# KiCad board the-nicholas-van revision.kicad_pcb (continued)
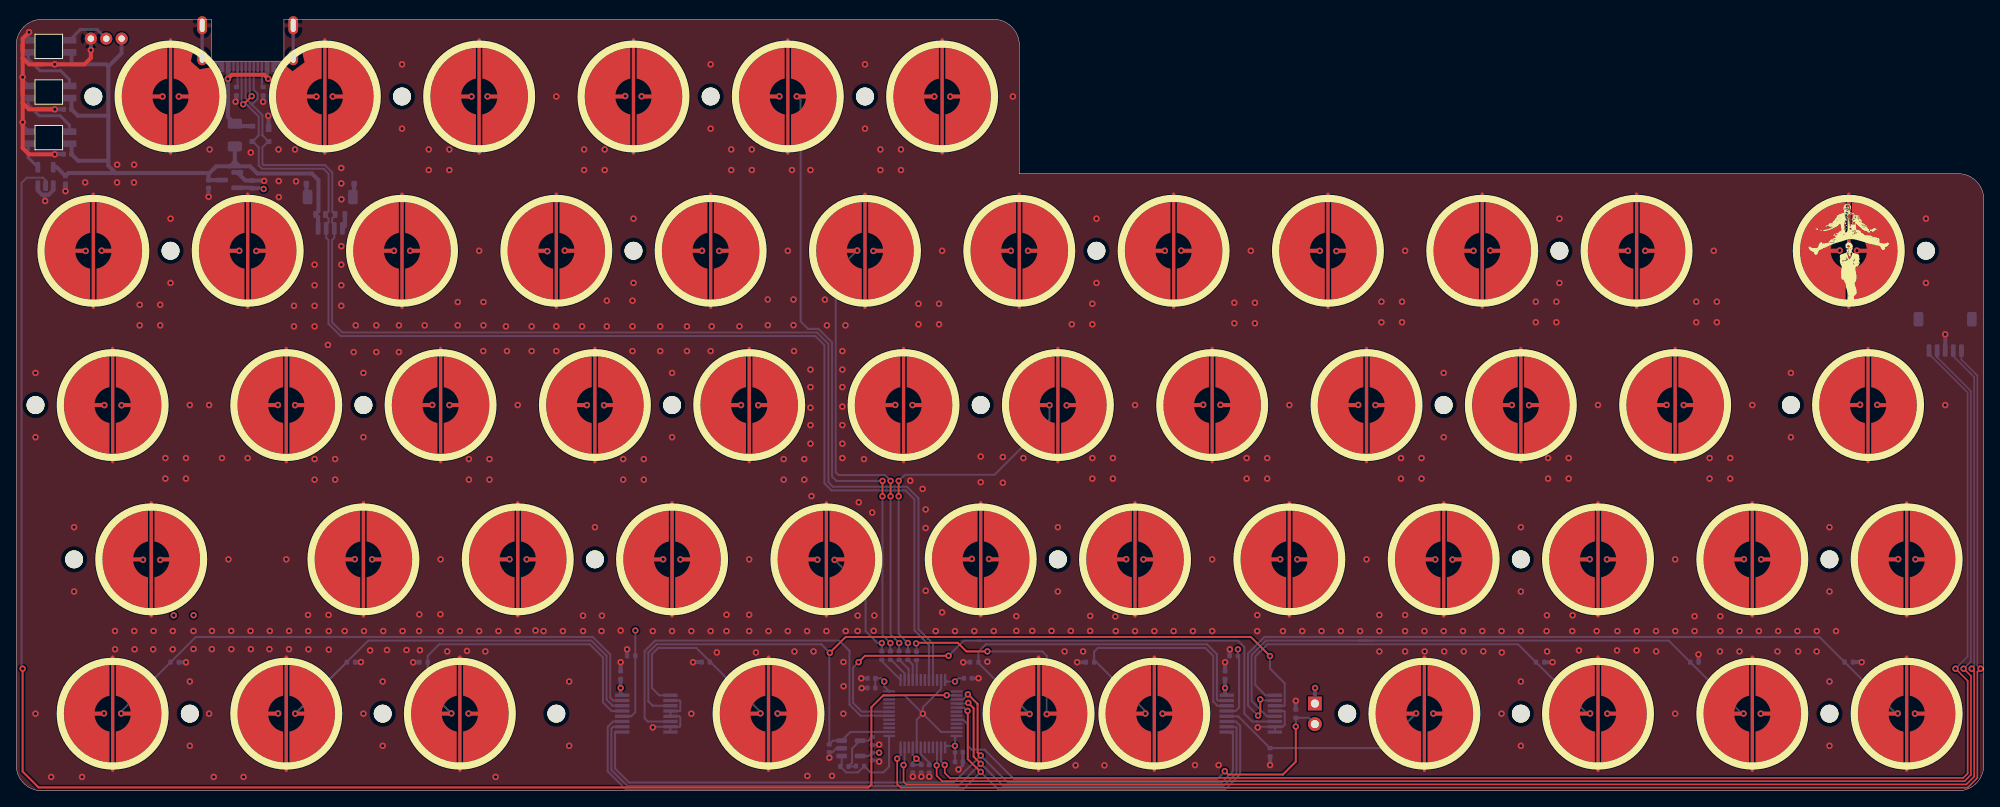
[diagram p0: board, top side]
## Routing (per net, layer and track width the routed paths; a pad name or vN(x,y) marks a point on that pad's centre or on a via; arc(x,y) is an arc through that point) (continued)
  Bottom w0.381: v1(118.8,13.9) 118.78,13.89 C1.2 ; C3.2 C5.2 116.85,3.17 v1(116.32,2.64) ; J4.A1 25.38,89.42 24.9,89.9 23.57,89.9 J4.S1 J4.S1 ; J4.A12 32.31,89.9 33.58,89.9 J4.S1 J4.S1 ; v1(104.36,12.68) 104.38,12.7 C2.2 ; v1(104.32,13.89) 104.32,13.89 C4.2 ; R19.2 116.91,15.88 v1(116.9,15.86)
  Bottom w0.5: 3.57,73.6 v1(3.57,72.83) ; 3.57,73.6 4.02,73.6 4.57,74.15 U2.1 ; 3.57,73.6 3.18,73.6 2.68,74.1 U2.3 ; R21.2 v1(189.65,15.88) ; v1(30.61,75.3) 30.56,75.35 C14.2 28.28,75.35 U3.1 ; 49.78,15.88 49.01,15.88 v1(49,15.86) ; v1(27.08,85.08) 27.18,85.18 R6.2 ; C18.2 v1(149.23,15.88) ; LED2.3 0.79,87.71 v1(0.79,88.11) ; 6.08,74.03 v1(6.08,74.03) ; v1(31.11,83.34) 31.16,83.3 D1.1 ; v1(1.59,93.66) 1.47,93.55 LED3.3 ; C9.2 v1(4.76,89.69) ; v1(227.81,15.88) 227.8,15.89 R23.2 ; J3.1 v1(9.21,91.46) ; C11.2 4.78,78.6 v1(4.76,78.58) ; LED1.3 0.79,82.08 v1(0.79,82.55) ; R7.2 v1(30.48,85.07) ; J5.3 v1(238.12,56.36) ; R18.2 v1(130.97,15.88) ; R8.2 v1(157.96,11.11) ; R22.2 207.68,16.83 v1(207.67,16.84) ; J2.MP 35.82,73.46 J1.MP ; J2.MP 41.72,73.46 J1.MP ; R11.2 20.95,15.88 v1(20.96,15.86) ; J1.4 40.57,69.74 J2.4 ; C16.2 v1(74.61,15.88) ; C13.2 23.74,73.35 v1(23.75,73.34) ; v1(42.55,15.89) 42.54,15.88 R10.2 ; v1(149.81,17.46) 149.79,17.44 R17.2 ; R12.2 v1(75.41,17.46) ; R13.2 83.55,15.89 ; C10.2 v1(4.76,84.14) ; R20.2 v1(154.78,3.18)
  Bottom w0.62: 6.08,74.92 6.08,74.03
  vias: v1(2.38,51.59) v1(2.38,43.66) v1(2.38,9.53) v1(4.32,1.71) v1(7.14,32.54) v1(7.14,24.61) v1(8.13,1.71) v1(8.51,75.12) v1(12.19,19.73) v1(12.21,17.47) v1(12.46,77.31) v1(12.45,75.11) v1(14.55,77.31) v1(14.54,75.11) v1(14.57,19.73) v1(14.62,17.47) v1(15.24,60.01) v1(15.24,57.47) v1(16.95,19.73) v1(16.91,17.47) v1(17.78,60.01) v1(17.78,57.47) v1(18.42,41.08) v1(18.42,38.54) v1(19.05,70.64) v1(19.05,62.71) v1(19.33,19.73) v1(19.32,17.47) v1(20.96,41.08) v1(20.96,38.54) v1(21.43,47.62) v1(21.43,13.49) v1(21.43,5.56) v1(21.88,19.73) v1(21.89,17.51) v1(23.81,47.62) v1(23.81,9.53) v1(23.88,79.18) v1(24.16,19.74) v1(24.15,17.49) v1(24.38,1.71) v1(25.4,41.08) v1(26.19,28.58) v1(26.54,19.74) v1(26.56,17.49) v1(28.07,1.71) v1(28.57,41.08) v1(28.96,78.8) v1(28.92,19.74) v1(28.97,17.49) v1(31.26,17.49) v1(31.31,19.74) v1(32.39,79.18) v1(32.4,75.28) v1(32.42,73.3) v1(33.34,28.58) v1(33.67,17.49) v1(33.69,19.74) v1(34.29,59.88) v1(34.29,57.34) v1(34.42,79.18) v1(34.54,75.25) v1(36.03,21.71) v1(36.05,19.73) v1(36.07,17.47) v1(36.83,64.96) v1(36.83,62.42) v1(36.83,59.88) v1(36.83,57.34) v1(36.83,40.96) v1(36.83,38.42) v1(38.48,55.05) v1(38.56,21.71) v1(38.58,19.72) v1(38.58,17.43) v1(39.37,40.96) v1(39.37,38.42) v1(40.13,76.9) v1(40.13,74.99) v1(40.15,73.03) v1(40.13,67.25) v1(40.13,64.96) v1(40.13,62.42) v1(40.13,59.88) v1(40.55,19.72) v1(41.66,54.17) v1(41.91,57.47) v1(42.86,51.59) v1(42.86,43.66) v1(42.86,9.53) v1(42.93,19.72) v1(43.69,17.34) v1(44.45,57.47) v1(44.45,54.17) v1(45.24,13.49) v1(45.24,5.56) v1(45.31,19.72) v1(45.77,17.38) v1(47.24,57.47) v1(47.24,54.17) v1(47.62,89.69) v1(47.62,81.76) v1(47.69,19.72) v1(48.18,17.38) v1(49.76,21.77) v1(49.74,19.72) v1(49.83,17.36) v1(50.42,57.47) v1(50.93,79.18) v1(50.93,76.64) v1(52.36,21.79) v1(52.39,28.58) v1(52.39,19.72) v1(53.21,17.21) v1(53.47,79.18) v1(53.47,76.64) v1(54.51,60.35) v1(54.51,57.47) v1(54.77,19.72) v1(55.64,17.27) v1(55.88,40.96) v1(55.88,38.42) v1(57.15,66.68) v1(57.15,19.72) v1(57.66,54.29) v1(57.68,60.35) v1(57.68,57.47) v1(57.91,17.21) v1(58.42,40.96) v1(58.42,38.42) v1(59.18,1.71) v1(59.53,19.72) v1(60.45,57.34) v1(60.58,54.29) v1(61.91,47.62) v1(61.91,19.72) v1(63.63,57.34) v1(63.63,54.29) v1(64.11,19.79) v1(65.1,19.72) v1(66.67,85.73) v1(66.67,57.34) v1(66.67,54.29) v1(67.48,19.72) v1(68.26,13.49) v1(68.26,5.56) v1(69.85,57.34) v1(69.97,21.62) v1(69.98,19.72) v1(70.1,79.18) v1(70.1,76.64) v1(71.44,32.54) v1(72.25,19.72) v1(72.3,21.62) v1(72.64,79.18) v1(72.64,76.64) v1(72.91,60.52) v1(72.91,57.34) v1(74.61,19.79) v1(74.93,40.96) v1(74.93,38.42) v1(76.07,54.29) v1(76.08,60.52) v1(76.08,57.34) v1(76.2,70.64) v1(76.2,62.71) v1(77.47,40.96) v1(77.47,38.42) v1(78.58,19.72) v1(79.5,57.34) v1(79.5,54.29) v1(80.96,51.59) v1(80.96,43.66) v1(80.96,19.72) v1(82.8,57.34) v1(82.8,54.29) v1(83.34,19.72) v1(83.34,9.53) v1(83.54,15.88) v1(85.72,89.69) v1(85.72,81.76) v1(85.72,54.29) v1(85.72,19.72) v1(85.85,57.34) v1(86.49,17.08) v1(87.68,21.74) v1(87.68,19.72) v1(88.27,79.18) v1(88.27,76.64) v1(89.28,57.34) v1(90.49,28.58) v1(90.48,21.74) v1(90.49,19.72) v1(90.8,79.18) v1(90.8,76.64) v1(91.31,17.08) v1(92.77,60.66) v1(92.77,57.49) v1(92.87,19.72) v1(94.74,40.96) v1(94.74,38.42) v1(95.25,66.68) v1(95.25,19.72) v1(95.76,76.64) v1(95.95,60.66) v1(95.95,57.49) v1(96.01,54.29) v1(96.07,17.2) v1(97.28,40.96) v1(97.28,38.42) v1(97.63,19.72) v1(97.66,1.84) v1(98.04,76.64) v1(98.04,52.01) v1(98.04,49.85) v1(98.04,47.31) v1(98.04,45.15) v1(98.04,42.86) v1(98.17,36.39) v1(98.42,17.21) v1(99.82,60.64) v1(100.01,19.72) v1(100.08,57.47) v1(100.71,1.84) v1(101.98,54.29) v1(101.98,52.01) v1(101.98,49.85) v1(101.98,47.43) v1(101.98,45.15) v1(101.98,42.86) v1(101.98,41.08) v1(102.12,15.9) v1(102.14,12.91) v1(102.11,9.53) v1(102.36,57.47) v1(102.39,19.72) v1(103.87,21.63) v1(103.87,19.73) v1(104.01,35.62) v1(104.65,40.96) v1(104.77,89.69) v1(104.77,81.76) v1(105.66,34.35) v1(105.85,19.75) v1(105.93,21.64) v1(106.53,3.61) v1(106.68,79.18) v1(106.68,76.64) v1(109.22,79.18) v1(109.22,76.64) v1(110.36,38.29) v1(111.38,60.13) v1(111.38,57.59) v1(111.89,37.27) v1(112.27,34.73) v1(112.27,32.45) v1(112.27,24.7) v1(113.51,19.72) v1(113.92,60.13) v1(113.92,57.59) v1(114.3,66.68) v1(114.3,22.03) v1(115.89,19.72) v1(118.27,19.72) v1(119.06,41.28) v1(119.06,38.1) v1(119.89,15.94) v1(120.67,19.72) v1(121.79,41.21) v1(121.79,38.04) v1(123.03,85.73) v1(123.46,21.57) v1(123.46,19.75) v1(124.33,41.08) v1(125.42,19.74) v1(127.8,19.74) v1(128.59,32.54) v1(128.59,24.61) v1(129.41,17.21) v1(130.19,19.74) v1(130.3,57.59) v1(130.78,3.14) v1(131.7,17.21) v1(132.57,19.74) v1(132.58,21.6) v1(132.84,60.13) v1(132.84,57.59) v1(132.84,41.08) v1(132.84,38.54) v1(133.35,70.64) v1(133.35,62.71) v1(134.33,3.14) v1(135.38,41.08) v1(135.38,38.54) v1(135.68,21.53) v1(135.73,19.72) v1(138.11,47.62) v1(138.11,19.72) v1(140.49,19.72) v1(142.88,19.72) v1(145.26,19.72) v1(145.51,3.18) v1(147.64,28.58) v1(147.64,19.72) v1(148.43,3.18) v1(150.37,60.26) v1(150.37,57.72) v1(151.89,41.08) v1(151.89,38.54) v1(152.4,66.68) v1(152.91,60.26) v1(152.91,57.72) v1(153.2,21.69) v1(153.19,19.72) v1(154.43,41.08) v1(154.43,38.54) v1(156.37,19.72) v1(157.16,47.62) v1(158.75,19.72) v1(161.13,19.72) v1(163.51,19.72) v1(165.89,19.72) v1(166.69,28.58) v1(168.28,19.72) v1(168.28,17.21) v1(168.28,21.71) v1(168.53,60.39) v1(168.53,57.85) v1(170.94,41.08) v1(170.94,38.54) v1(171.07,60.39) v1(171.07,57.85) v1(171.45,66.68) v1(171.45,21.71) v1(171.45,19.72) v1(171.45,17.21) v1(173.48,41.08) v1(173.48,38.54) v1(173.83,19.72) v1(173.86,17.21) v1(176.21,51.59) v1(176.21,43.66) v1(176.21,19.72) v1(176.28,17.21) v1(178.59,19.72) v1(178.69,17.21) v1(180.98,19.72) v1(181.1,17.22) v1(183.36,19.72) v1(183.36,9.53) v1(183.39,17.08) v1(185.74,32.54) v1(185.74,24.61) v1(185.74,19.72) v1(185.74,13.49) v1(185.74,5.56) v1(187.58,60.39) v1(187.58,57.85) v1(188.95,21.67) v1(188.91,19.72) v1(188.98,17.21) v1(189.1,41.08) v1(189.1,38.54) v1(190.12,60.39) v1(190.12,57.85) v1(190.5,70.64) v1(190.5,62.71) v1(191.64,41.08) v1(191.64,38.54) v1(192.13,21.67) v1(192.09,19.72) v1(192.91,17.34) v1(195.09,19.72) v1(195.26,47.62) v1(197.66,19.72) v1(197.61,17.34) v1(200.04,19.72) v1(200.03,17.34) v1(202.42,19.72) v1(202.44,17.21) v1(204.79,28.58) v1(204.8,19.72) v1(204.79,9.53) v1(207.19,21.55) v1(207.18,19.72) v1(207.39,60.39) v1(207.39,57.85) v1(209.04,41.08) v1(209.04,38.54) v1(209.55,66.68) v1(209.93,60.39) v1(209.93,57.85) v1(210.36,21.55) v1(210.36,19.72) v1(210.31,17.21) v1(211.58,41.08) v1(211.58,38.54) v1(212.74,19.72) v1(212.73,17.21) v1(214.31,47.62) v1(215.12,19.72) v1(217.42,17.21) v1(217.5,19.72) v1(219.08,51.59) v1(219.08,43.66) v1(219.88,19.72) v1(219.96,17.21) v1(222.27,19.72) v1(222.25,17.21) v1(223.84,32.54) v1(223.84,24.61) v1(223.84,13.49) v1(223.84,5.56) v1(224.65,19.72) v1(235.74,70.64) v1(235.74,62.71) v1(238.12,47.62)
VCC: length 16.6
  Top w0.5: v1(26.13,87.9) 26.63,88.41 30.61,88.41 v1(31.11,87.9)
  Bottom w0.5: v1(31.11,87.9) 30.97,88.04 J4.A9 ; J4.A4 26.18,87.95 v1(26.13,87.9) 26.13,83.23 F_USBC1.1 27.29,82.06 D1.4
(no net):
  vias: v1(19.45,21.67) v1(21.9,21.68)
ADC: length 12.4
  Bottom w0.25: U1.13 107.76,2.98 107.05,2.27 105.45,2.27 R16.1 103.9,2.27 102.46,2.27 R14.1 101.9,3.19 U5.1
AMUX_SEL_0: length 106.8
  Top w0.25: 117.47,9.89 117.47,3.9 119.04,2.33 v1(119.06,2.33)
  Bottom w0.25: U4.11 73.67,8.55 73.02,7.9 73.02,2.38 75.28,0.12 116.85,0.12 v1(119.06,2.33) 121.27,0.12 149.19,0.12 151.09,2.02 151.09,8.03 150.56,8.55 U6.11 ; U1.41 117.02,10.28 v1(117.43,9.86)
AMUX_SEL_1: length 104
  Top w0.25: 117.49,10.89 118.19,10.2 118.19,4.21 v1(119.06,3.33)
  Bottom w0.25: v1(117.52,10.86) 117.44,10.78 U1.40 ; U4.10 73.67,7.9 73.47,7.7 73.47,2.57 75.47,0.58 116.28,0.58 119.04,3.33 v1(119.06,3.33) 119.09,3.33 121.85,0.58 149.01,0.58 150.64,2.21 150.64,7.79 150.52,7.9 U6.10
AMUX_SEL_2: length 101.1
  Top w0.25: v1(119.06,4.36) 118.68,4.74 118.68,10.73 118.67,10.73 117.5,11.91 v1(117.48,11.91)
  Bottom w0.25: U4.9 73.93,7.25 73.92,7.25 73.92,2.75 75.65,1.03 115.73,1.03 v1(119.06,4.36) 122.4,1.03 148.82,1.03 150.19,2.39 150.19,6.97 149.91,7.25 U6.9 ; U1.39 116.89,11.28 117.48,11.86 v1(117.48,11.91)
APLEX_EN_PIN_0: length 50.1
  Bottom w0.25: U4.6 77.97,8.55 77.57,8.95 77.57,17.25 78.87,18.55 101.6,18.55 102.86,17.28 102.86,10.64 104.23,9.28 U1.18
APLEX_EN_PIN_1: length 72.2
  Top w0.25: v1(115.09,16.67) 104.77,16.67 v1(103.98,15.88)
  Bottom w0.25: v1(115.09,16.67) 116.97,18.55 119.06,18.55 ; U1.19 104.37,9.78 103.31,10.83 103.31,15.21 v1(103.98,15.88) ; 118.56,18.55 119.06,18.55 ; 119.06,18.55 150.81,18.55 151.61,17.75 151.61,9.53 152.58,8.55 153.19,8.55 153.19,8.55 U6.6
APLEX_OUT: length 115.8
  Top w0.25: v1(154.77,16.63) 152.41,19 102.39,19 v1(100.43,17.04)
  Bottom w0.25: v1(154.77,16.63) 154.77,15.09 156.59,13.27 156.59,10.57 156.51,10.5 U6.3 ; U1.14 102.98,7.28 U5.3 100.83,6.2 C17.1 100.36,16.97 v1(100.43,17.04) 99.38,18.1 79.06,18.1 78.02,17.06 78.02,11.06 78.58,10.5 U4.3
ARGB: length 5.6
  Bottom w0.381: J3.2 9.97,94.01 7.92,94.01 LED3.2
ARGB_3V3: length 203.2
  Top w0.25: v1(114.87,11.8) 107.05,11.8 105.57,10.32 105.57,0.79 105.19,0.42 2.76,0.42 0.79,2.38 v1(0.79,15.08)
  Bottom w0.25: v1(114.87,11.8) 114.9,11.78 U1.38 ; U2.2 3.63,75.38 3.3,75.7 1.31,75.7 0.66,75.05 0.66,15.22 v1(0.79,15.08)
ARGB_5V: length 3.4
  Bottom w0.381: LED1.4 1.48,78.19 U2.4
BOOT0: length 55.8
  Top w0.25: v1(149.19,2.42) 149.59,2.01 156.37,2.01 157.96,3.6 v1(157.96,7.94)
  Bottom w0.25: SW1.2 159.53,9.02 R8.1 v1(157.96,7.94) ; U1.44 116.89,8.78 117.48,8.19 117.48,5.56 117.95,5.08 119.54,5.08 123.14,1.47 148.32,1.47 149.19,2.34 v1(149.19,2.42)
COL0: length 165.9
  In2.Cu w0.5: v1(17.78,28.51) 20.64,25.65 20.64,17.22 v1(12.96,9.54) ; v1(18.06,85.73) 13.49,81.16 13.49,69.63 11.22,67.36 ; v1(13.01,47.6) 15.1,47.6 19.84,42.86 19.84,30.75 SW_EC31.2 ; 11.22,67.36 v1(10.55,66.69) 16.67,60.57 16.67,51.39 SW_EC19.2 ; 11.22,67.36 10.54,66.68
  Bottom w0.25: v1(12.96,9.54) 12.96,9.78 R11.1 22.17,19 71.18,19 73.33,16.85 73.33,11.5 73.67,11.15 U4.15
COL1: length 148.4
  In2.Cu w0.5: SW_EC20.2 35.72,49.01 35.72,61.12 30.19,66.65 v1(29.64,66.65) ; SW_EC32.2 38.1,32.34 38.1,43.94 v1(34.43,47.61) ; v1(37.06,85.71) 33.34,82 33.34,70.44 SW_EC8.2 ; SW_EC44.2 37.31,12.49 37.31,24.09 v1(41.8,28.59)
  Bottom w0.25: U4.14 73.64,10.5 72.88,11.26 72.88,16.66 70.99,18.55 43.46,18.55 v1(34.45,9.54) 40.79,15.88 R10.1
COL2: length 138.7
  In2.Cu w0.5: v1(56.2,85.73) 52.39,81.91 52.39,70.43 v1(48.63,66.68) 50.8,66.68 56.36,61.12 56.36,50.59 SW_EC21.2 ; SW_EC45.2 50.8,12.49 50.8,22.23 57.17,28.59 v1(60.89,28.59) 57.15,32.33 57.15,43.96 v1(53.49,47.62)
  Bottom w0.25: 50.8,12.47 R9.1 ; 50.8,12.47 v1(53.71,9.56) ; 50.8,12.47 50.8,16.67 52.23,18.1 70.8,18.1 72.43,16.47 72.43,10.92 73.5,9.85 U4.13
COL3: length 91
  In2.Cu w0.5: v1(67.72,66.7) 70.62,66.7 74.61,62.71 74.61,49.8 SW_EC22.2 ; SW_EC10.2 71.44,70.44 71.44,82.03 v1(75.18,85.78) ; v1(79.86,28.58) 76.43,25.15 v1(76.43,19.79) ; v1(72.57,47.6) 76.2,43.97 76.2,32.34 SW_EC34.2
  Bottom w0.25: U4.12 75.92,9.2 76.43,9.71 R12.1 76.43,19.78 v1(76.43,19.79)
COL4: length 120.4
  In2.Cu w0.5: v1(91.6,47.61) 96.04,43.17 96.04,31.54 SW_EC35.2 ; SW_EC23.2 94.46,50.59 94.46,62.71 90.5,66.66 v1(86.79,66.66) ; SW_EC5.2 89.69,81.17 89.69,69.64 SW_EC11.2 ; SW_EC46.2 88.9,12.49 88.9,22.23 95.21,28.53 v1(98.9,28.53)
  Bottom w0.25: v1(91.86,9.56) 91.86,9.74 83.95,17.65 79.24,17.65 78.47,16.88 78.47,12.7 79.37,11.8 U4.1
  vias: v1(94.21,85.74)
COL5: length 142
  In2.Cu w0.5: v1(105.82,66.65) 108.77,66.65 112.71,62.71 112.71,49.8 SW_EC24.2 115.89,47.62 120.65,42.86 120.65,29.18 v1(120.09,28.62) 122.24,26.47 122.24,12.49 SW_EC47.2 ; v1(113.33,85.73) 107.95,80.34 107.95,68.85 SW_EC12.2
  Bottom w0.25: U6.15 148.33,11.15 148.21,11.26 148.21,16.89 147,18.1 119.7,18.1 118.78,17.18 R19.1 118.78,15.79 v1(125.09,9.49)
  vias: v1(110.64,47.63)
COL6: length 100.6
  In2.Cu w0.5: SW_EC48.2 134.14,14.88 134.14,25.71 v1(137.02,28.59) ; SW_EC25.2 131.76,49.8 131.76,59.82 v1(124.91,66.68) ; v1(129.67,47.59) 134.14,43.12 134.14,31.54 SW_EC37.2
  Bottom w0.25: v1(139.39,9.54) 139.39,9.84 133.35,15.88 R18.1 133.07,17.18 133.53,17.65 146.79,17.65 147.76,16.67 147.76,11.02 148.29,10.5 U6.14
COL7: length 71.3
  In2.Cu w0.5: 154.68,30.06 156.02,28.72 v1(156.02,28.59) 150.81,23.38 v1(150.81,17.46) ; 154.68,30.06 SW_EC38.2 ; 154.68,30.06 153.19,31.54 153.19,43.11 v1(148.66,47.65) ; SW_EC26.2 151.61,50.59 151.61,61.12 146.02,66.7 v1(143.81,66.7)
  Bottom w0.25: U6.13 150.52,9.85 150.97,10.29 150.97,16.52 R17.1 v1(150.81,17.46)
COL8: length 96.2
  In2.Cu w0.5: SW_EC49.2 169.86,12.49 169.86,23.81 174.61,28.56 v1(175.18,28.56) 172.24,31.49 172.24,43.18 v1(167.79,47.62) ; v1(162.97,66.64) 165.93,66.64 169.86,62.71 169.86,49.8 SW_EC27.2
  Bottom w0.25: v1(172.81,9.56) 168.52,5.27 R20.1 150.85,9.2 U6.12
COL9: length 120.4
  In2.Cu w0.5: v1(181.97,66.71) 184.12,66.71 188.91,61.91 188.91,49.8 SW_EC28.2 ; v1(194.24,28.59) 190.5,24.85 190.5,13.29 SW_EC50.2 ; v1(186.75,47.61) 190.5,43.87 190.5,32.34 SW_EC40.2
  Bottom w0.25: v1(194.29,9.55) 193.94,9.55 R21.1 185.39,18.1 154.46,18.1 152.96,16.59 152.96,13.04 154.2,11.8 U6.1
COL10: length 146.9
  In2.Cu w0.5: v1(201.1,66.68) 203.2,66.68 208.76,61.12 208.76,50.59 SW_EC29.2 ; SW_EC41.2 210.34,31.54 210.34,43.13 v1(205.85,47.62) ; v1(213.27,28.59) 208.76,24.08 208.76,14.01 v1(213.22,9.54)
  Bottom w0.25: 166.69,18.55 154.28,18.55 152.51,16.78 152.51,11.09 154.39,9.2 U6.5 ; 166.69,18.55 165.71,18.55 167.48,18.55 ; 166.69,18.55 167.48,18.55 ; v1(213.22,9.54) 212.99,9.54 R22.1 203.99,18.55 167.48,18.55
COL11: length 166.3
  Top w0.25: v1(153.29,9.28) 153.57,9.56 v1(153.57,11.27)
  In2.Cu w0.5: v1(227.23,66.69) 233.36,60.56 233.36,51.27 v1(229.74,47.65) 237.33,40.05 237.33,31.46 v1(234.45,28.58) 237.33,25.7 237.33,22.23 231.78,16.67 231.78,10.04 v1(232.26,9.55)
  Bottom w0.25: v1(153.29,9.28) 152.06,10.51 152.06,16.96 154.09,19 222.6,19 R23.1 232.04,9.55 v1(232.26,9.55) ; U6.2 153.7,11.15 v1(153.57,11.27)
D+: length 161.3
  Bottom w0.25: J4.A6 28.32,85.49 29.15,84.66 ; U1.33 113.17,18.15 111.37,19.95 111.37,36.12 109.96,37.54 100.83,37.54 100.26,38.1 100.26,55.17 98.85,56.59 40.25,56.59 38.99,57.84 38.99,68 39.27,68.27 J1.3 39.27,69.91 38.99,70.19 38.99,70.65 39.37,71.03 J2.3 39.02,71.5 39.02,76.36 38.14,77.24 30.55,77.24 30.39,77.41 30.39,79.43 31.11,80.16 D1.2 30.39,80.93 30.39,80.96 30.39,83.42 29.15,84.66 ; 29.15,84.66 29.15,84.77 29.8,85.42 29.8,86.06 29.32,86.54 J4.B6
D-: length 161.6
  Top w0.25: v1(29.07,85.76) 28.07,84.76 v1(28.03,84.76)
  Bottom w0.25: J4.B7 27.82,84.96 v1(28.03,84.76) 28.41,84.76 29.94,83.24 29.94,80.93 D1.3 29.21,80.16 29.94,79.43 29.94,77.22 30.36,76.79 37.95,76.79 38.57,76.18 38.57,71.55 J2.2 38.17,71.03 38.54,70.65 38.54,70.19 38.27,69.91 J1.2 38.27,68.27 38.54,68 38.54,57.66 40.06,56.14 98.66,56.14 99.76,55.04 99.76,37.96 100.64,37.09 109.78,37.09 110.87,35.99 110.87,19.81 112.67,18.02 U1.32 ; J4.A7 28.82,86.01 v1(29.07,85.76)
ENC1: length 186.6
  Top w0.2: v1(240.39,15.08) 241.29,14.18 241.29,1.97 240.51,1.19 114.3,1.19 113.62,1.87 v1(113.62,3.14)
  Bottom w0.2: v1(240.39,15.08) 241.29,15.98 241.29,49.34 237.12,53.51 J5.2
  Bottom w0.25: U1.3 113.67,3.19 v1(113.62,3.14)
ENC2: length 190.9
  Top w0.2: v1(109.54,3.18) 109.54,1.11 109.86,0.79 240.73,0.79 241.69,1.75 241.69,14.78 v1(241.39,15.08)
  Bottom w0.2: J5.4 239.12,53.66 241.69,51.09 241.69,15.38 v1(241.39,15.08)
  Bottom w0.25: U1.11 109.67,3.31 v1(109.54,3.18)
NRST: length 2.6
  Bottom w0.25: U1.7 111.67,4.51 112.71,3.47 C7.1
ROW0: length 236.2
  Top w0.25: v1(106.93,36.36) 106.93,38.26 v1(106.94,38.26)
  In1.Cu w0.5: 101.6,77.79 119.86,77.79 120.65,78.58 120.65,80.36 v1(115.3,85.71) ; 101.6,77.79 101.6,80.96 96.82,85.74 v1(96.35,85.74) ; 101.6,77.79 82.55,77.79 ; v1(58.18,85.74) 58.72,85.74 63.5,80.96 63.5,77.79 ; 63.5,77.79 45.24,77.79 ; 63.5,77.79 82.55,77.79 ; 45.24,77.79 44.45,77.79 44.45,80.96 39.69,85.73 v1(39.07,85.73) ; 45.24,77.79 26.19,77.79 25.4,78.58 25.4,80.96 20.64,85.73 v1(20.07,85.73) ; v1(77.2,85.74) 77.77,85.74 82.55,80.96 82.55,77.79
  Bottom w0.2: 107.91,18.19 107.91,18.07 v1(107.91,18.24)
  Bottom w0.25: v1(106.93,36.36) 106.93,19.22 v1(107.91,18.24) R3.2 107.91,18.07 ; v1(96.35,85.74) 96.84,85.26 96.84,57.94 97.74,57.04 99.04,57.04 100.71,55.36 100.71,38.8 101.25,38.26 v1(106.94,38.26)
ROW1: length 396.8
  Top w0.25: v1(107.93,36.36) 107.93,38.26 v1(107.94,38.26) 107.93,38.26
  In1.Cu w0.5: 174.62,58.74 193.68,58.74 ; 174.62,58.74 155.58,58.74 ; 174.62,58.74 174.62,61.41 v1(179.89,66.67) ; 193.68,58.74 193.68,61.39 v1(198.96,66.68) ; 193.68,58.74 219.08,58.74 219.87,59.53 219.87,61.47 v1(225.1,66.71) ; v1(141.79,66.68) 136.53,61.41 136.53,58.74 ; 23.81,58.74 23.02,58.74 22.9,58.86 22.9,62.03 v1(27.54,66.68) ; 23.81,58.74 3.97,58.74 3.18,59.53 3.18,61.26 v1(8.57,66.66) ; 23.81,58.74 41.27,58.74 ; v1(160.92,66.66) 155.58,61.32 155.58,58.74 ; 99.22,58.74 117.48,58.74 ; 99.22,58.74 78.58,58.74 ; 99.22,58.74 98.42,58.74 98.42,61.31 v1(103.82,66.7) ; 117.48,58.74 136.53,58.74 ; 117.48,58.74 117.48,61.37 v1(122.78,66.68) ; 155.58,58.74 136.53,58.74 ; v1(46.63,66.68) 41.27,61.32 41.27,58.74 ; 41.27,58.74 60.33,58.74 ; 60.33,58.74 60.19,58.87 60.19,61.25 v1(65.56,66.62) ; 60.33,58.74 78.58,58.74 ; 78.58,58.74 79.38,58.74 79.38,61.39 v1(84.66,66.68)
  Bottom w0.2: 109,18.23 v1(109,18.24)
  Bottom w0.25: v1(107.93,36.36) 107.93,36.36 107.93,19.31 v1(109,18.24) ; R4.2 109,18.23 ; v1(107.94,38.26) 107.94,38.29 107.24,38.99 101.51,38.99 101.16,39.33 101.16,64.04 v1(103.82,66.7)
ROW2: length 382
  Top w0.25: 108.93,38.26 v1(108.94,38.26) 108.93,38.26 v1(108.93,36.36)
  In1.Cu w0.5: v1(165.67,47.64) 160.34,42.31 160.34,39.69 ; 26.99,39.69 26.99,42.31 v1(32.3,47.63) ; 26.99,39.69 6.35,39.69 5.56,40.48 5.56,42.29 v1(10.88,47.62) ; 26.99,39.69 46.04,39.69 ; 65.88,39.69 84.14,39.69 ; 65.88,39.69 65.88,43.06 v1(70.44,47.62) ; 65.88,39.69 46.04,39.69 ; 84.14,39.69 84.14,42.29 v1(89.48,47.63) ; 84.14,39.69 103.19,39.69 ; 141.29,39.69 141.29,42.42 v1(146.53,47.67) ; 141.29,39.69 123.03,39.69 ; 141.29,39.69 160.34,39.69 ; 46.04,39.69 46.04,42.32 v1(51.36,47.64) ; 198.44,39.69 198.44,42.36 v1(203.72,47.64) ; 198.44,39.69 179.39,39.69 ; 198.44,39.69 221.46,39.69 222.25,40.48 222.25,42.3 v1(227.61,47.66) ; 103.19,39.69 123.03,39.69 ; 103.19,39.69 103.19,42.31 v1(108.52,47.64) ; 123.03,39.69 123.03,43.09 v1(127.55,47.61) ; 160.34,39.69 179.39,39.69 ; 179.39,39.69 179.39,42.39 v1(184.63,47.63)
  Bottom w0.25: v1(108.94,38.26) 109.69,39.02 120.77,39.02 127.55,45.79 v1(127.55,47.61) ; v1(108.93,36.36) 108.93,36.36 108.93,19.38 v1(110.07,18.24) R5.2
ROW3: length 350.6
  In1.Cu w0.5: v1(158.15,28.58) 163.51,23.21 163.51,20.64 ; 220.66,20.64 220.66,23.31 v1(215.4,28.58) ; 220.66,20.64 226.22,20.64 227.01,21.43 227.01,23.29 v1(232.32,28.6) ; 220.66,20.64 201.61,20.64 ; v1(177.3,28.54) 182.56,23.28 182.56,20.64 ; 182.56,20.64 201.61,20.64 ; 182.56,20.64 163.51,20.64 ; v1(43.93,28.57) 48.42,24.09 48.42,20.64 ; v1(81.99,28.56) 85.84,24.72 ; 85.84,24.72 86.52,24.04 ; 85.84,24.72 86.52,24.04 ; 86.52,24.04 86.52,20.64 ; 144.46,20.64 163.51,20.64 ; 144.46,20.64 144.46,23.26 v1(139.15,28.57) ; 144.46,20.64 112.71,20.64 ; 67.47,20.64 86.52,20.64 ; 67.47,20.64 67.47,24.12 v1(63.02,28.58) ; 67.47,20.64 48.42,20.64 ; 86.52,20.64 104.77,20.64 ; 201.61,20.64 201.61,23.33 v1(196.37,28.58) ; 104.77,20.64 112.71,20.64 ; 104.77,20.64 104.77,24.76 v1(101.03,28.51) ; 112.71,20.64 112.71,23.38 v1(117.96,28.63) ; 48.42,20.64 11.11,20.64 10.32,21.43 10.32,23.19 v1(15.65,28.52)
  Bottom w0.25: v1(101.03,28.51) 104.85,24.69 104.85,19.73 106.34,18.24 v1(106.84,18.24) 106.85,18.24 R2.1
ROW4: length 367.4
  Top w0.25: v1(119.89,17.21) 117.29,17.21 116.23,18.27 111.16,18.27 v1(111.09,18.19)
  In1.Cu w0.5: v1(215.35,9.53) 220.66,4.21 220.66,0.79 ; 180.18,0.79 201.61,0.79 ; 180.18,0.79 146.84,0.79 ; 180.18,0.79 180.18,4.3 v1(174.94,9.54) ; 201.61,0.79 201.61,4.33 v1(196.41,9.53) ; 201.61,0.79 238.92,0.79 239.71,1.59 239.71,4.21 v1(234.39,9.53) ; 99.22,0.79 99.22,4.32 v1(93.99,9.54) ; 99.22,0.79 132.56,0.79 ; 99.22,0.79 61.12,0.79 ; 61.12,0.79 61.12,4.26 v1(55.84,9.54) ; 61.12,0.79 26.19,0.79 ; v1(10.83,9.56) 5.56,4.29 5.56,2.38 7.14,0.79 26.19,0.79 ; v1(32.32,9.55) 26.19,3.43 26.19,0.79 ; 132.56,0.79 146.84,0.79 ; 132.56,0.79 132.56,4.13 v1(127.21,9.47) ; 146.84,0.79 146.84,4.19 v1(141.51,9.53)
  Bottom w0.25: v1(127.21,9.47) 127.21,16.67 126.67,17.21 v1(119.89,17.21) ; v1(111.09,18.19) 111.12,18.15 R1.2
SW1: length 185.5
  Top w0.2: v1(239.4,15.08) 240.89,13.58 240.89,2.14 240.34,1.59 115.24,1.59 114.62,2.21 v1(114.62,3.19)
  Bottom w0.2: v1(239.4,15.08) 240.89,16.58 240.89,49.18 236.12,53.94 J5.1
  Bottom w0.25: U1.2 114.17,3.64 v1(114.62,3.19)
SW2: length 192.9
  Top w0.2: v1(242.49,15.08) 242.09,14.69 242.09,1.59 240.89,0.39 109.19,0.39 108.74,0.84 v1(108.74,3.97)
  Bottom w0.2: 242.09,51.26 242.09,15.47 v1(242.49,15.08) ; 242.09,51.26 241.93,51.43 ; 242.09,51.26 241.93,51.43 ; J5.5 240.12,53.23 241.93,51.43
  Bottom w0.25: v1(108.74,3.97) 109.17,4.39 U1.12
Net-(J4-CC1): length 2.7
  Bottom w0.25: 27.33,87.04 R6.1 27.32,87.03 J4.A5
Net-(J4-CC2): length 2.5
  Bottom w0.25: J4.B5 30.32,87.04 R7.1
Net-(LED1-DOUT): length 7.8
  Bottom w0.381: LED2.4 1.47,84.71 2.84,83.34 5.42,83.34 6.57,82.19 LED1.2
Net-(LED2-DOUT): length 7.7
  Bottom w0.381: LED2.2 6.57,87.82 5.49,88.9 2.94,88.9 1.47,90.37 LED3.4
Net-(U1-PA8): length 2.5
  Bottom w0.25: U1.29 111.17,16.12 R1.1
Net-(U1-PB12): length 3.5
  Bottom w0.25: U1.25 106.85,16.01 R2.2
Net-(U1-PB13): length 3.3
  Bottom w0.25: U1.26 109.67,14.49 107.98,16.19 R3.1
Net-(U1-PB14): length 3
  Bottom w0.25: R4.1 110.17,15.01 U1.27
Net-(U1-PB15): length 2.7
  Bottom w0.25: R5.1 110.67,15.58 U1.28
Net-(U5--): length 6.4
  Bottom w0.25: R15.1 105.21,6.2 U5.4 103.19,5.21 103.19,3.45 R14.2 103.62,3.01 R16.2

## Copper pours and planes (outline as drawn; the poured copper is in the pictures)
+3V3 on Bottom: 26.41,74.99 31.18,74.98 31.19,73.72 26.44,73.71
+3V3 on In1.Cu: -5.56,100.01 246.86,100.01 246.06,-8.73 -4.76,-7.14
GND on Top, Bottom, In2.Cu: -7.14,102.39 248.44,102.39 248.44,-11.11 -7.14,-11.91

## Text on the board
B.Silkscreen: - | + | JLCJLCJLCJLC | DB | ENC | ^ | V1.0 | by Calvin0563 | boot | The Nicholas Van
